# Altium PCB PCB1.PcbDoc (part 1 of 2)
Units mm, origin at the board's own origin, x right, y up, seen from the top; angles counter-clockwise.
Board outline 100.7 x 52.2 mm, 2 copper layers (Top Layer, Bottom Layer); 142 components, 119 nets, 501 pads, 92 vias.
Unrouted connection lines stored in the file: 86.
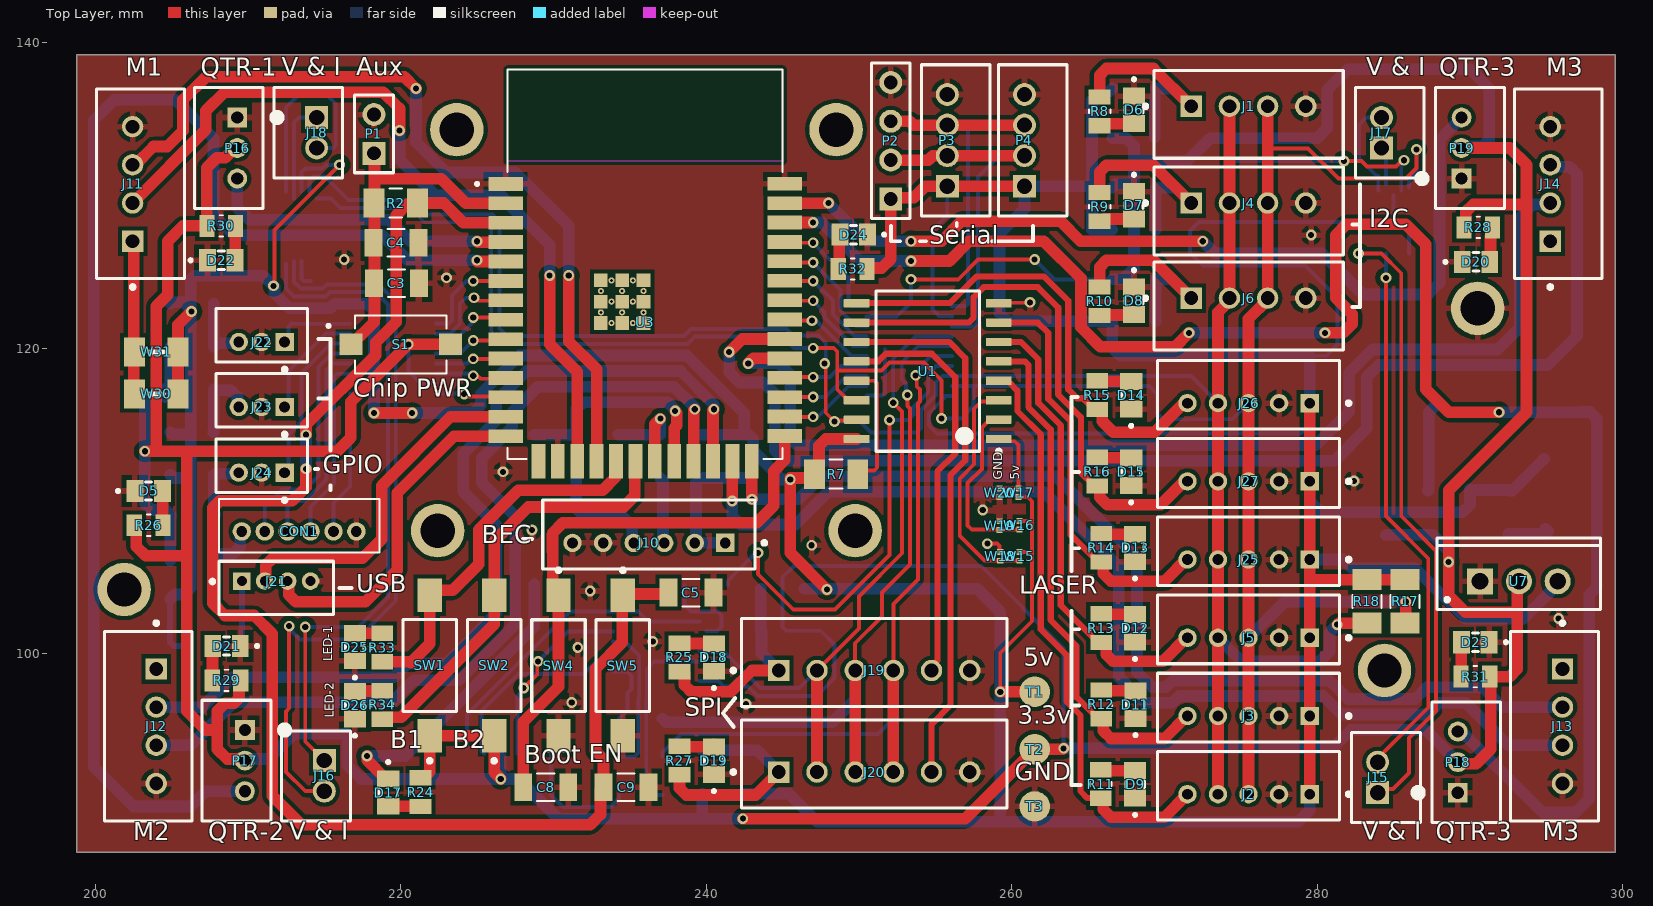
[diagram p0: Top Layer view]
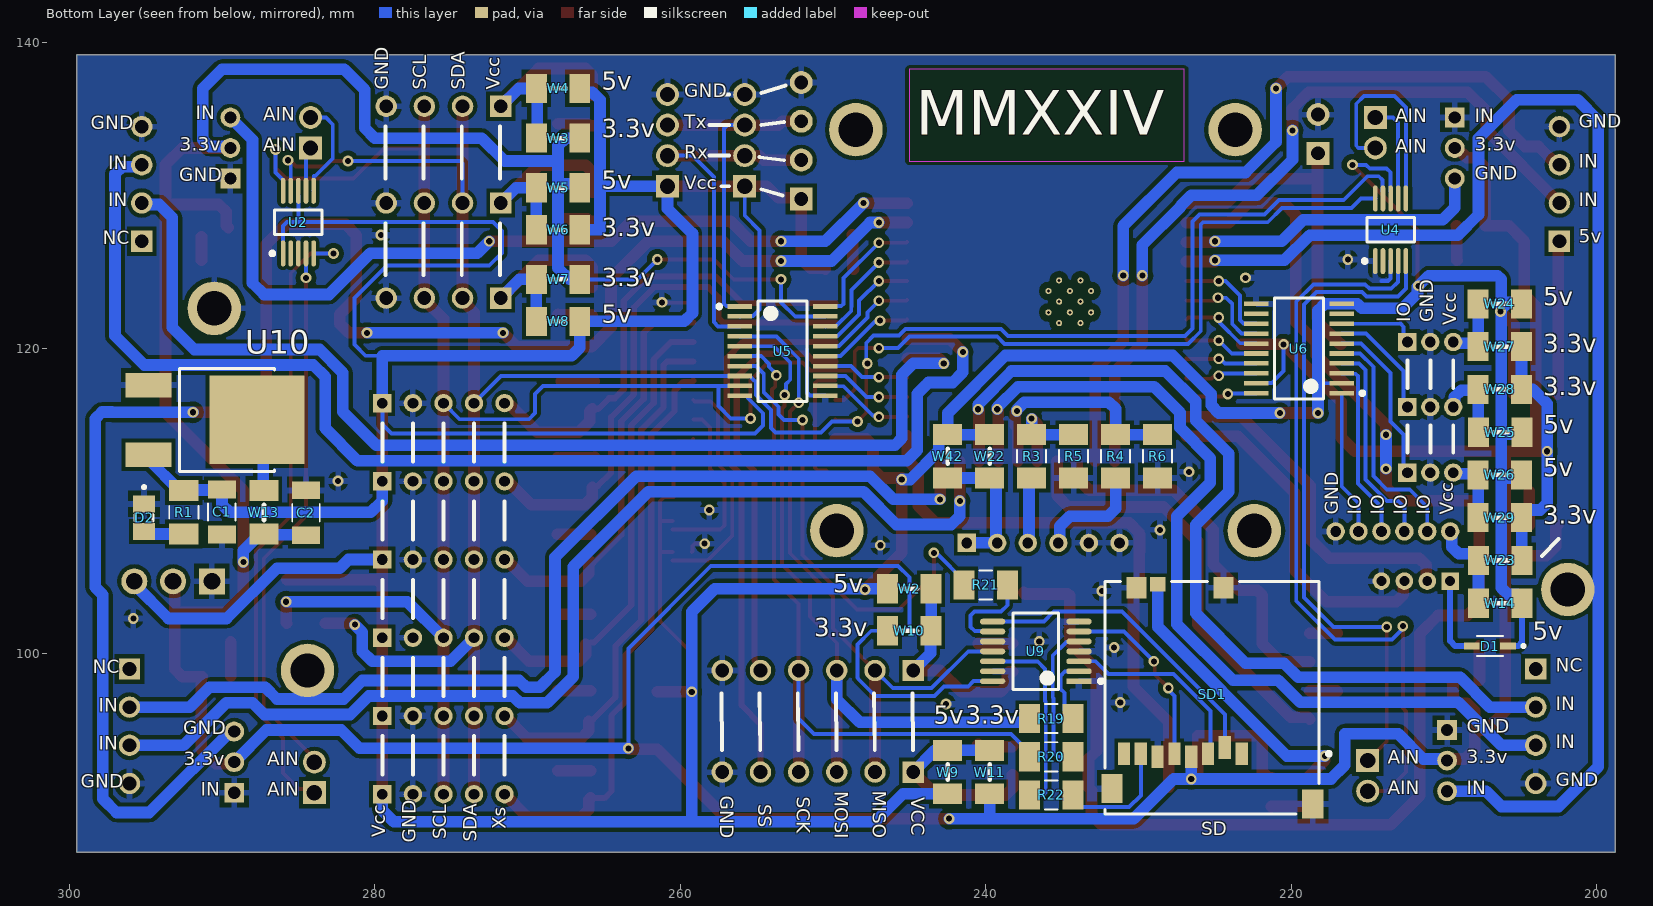
[diagram p1: Bottom Layer view, seen from below]
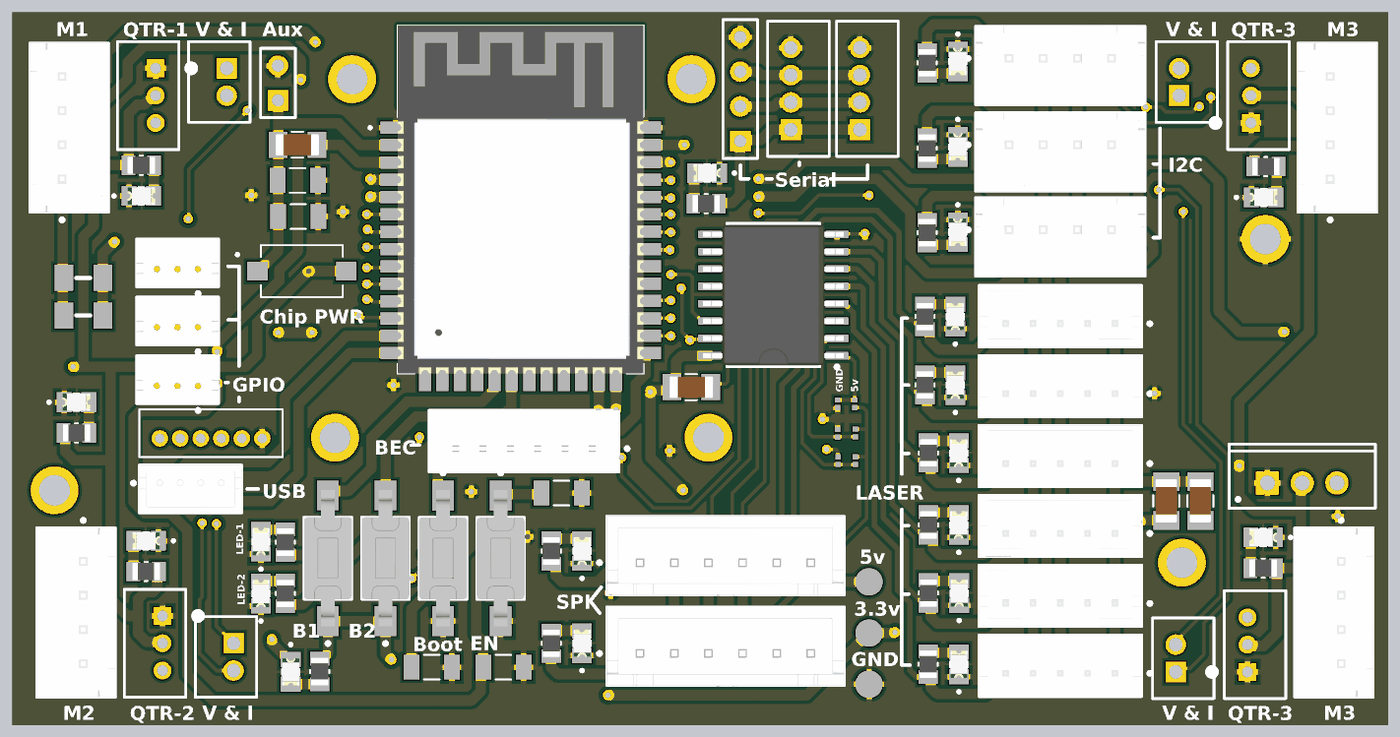
[diagram p3: 3D render of the assembled board from above, using the file's embedded part models]

## Layer stack, top to bottom
Top Solder: solder mask 0.0102, Solder Resist, Dk 3.5
Top Layer: signal copper 0.0356
Dielectric 1: dielectric 0.32, FR-4, Dk 4.8
Bottom Layer: signal copper 0.0356
Bottom Solder: solder mask 0.0102, Solder Resist, Dk 3.5

## Board outline
198.8,87 198.8,139.2 299.5,139.2 299.5,87

## Design rules (kind name [scope] priority, off if disabled: settings)
Clearance [All] p1: gap=0.254 ignorepadtopadclearanceinfootprint=TRUE except(0.127: Arc-SMDPad Track-SMDPad SMDPad-SMDPad; 0.33: Track-THPad; 0.5: Arc-THPad Arc-Hole Track-Hole SMDPad-THPad SMDPad-Hole THPad-THPad THPad-Hole Via-Hole Fill-Hole Poly-Hole Region-Hole Text-Hole)
PolygonConnect [All] p1: connectstyle=Relief reliefconductorwidth=0.4 reliefentries=4 polygonreliefangle="90 Angle" airgapwidth=0.3
RoutingVias [All] p1: holewidth=0.5 width=0.75 viastyle="Through Hole" minholewidth=0.254 minwidth=0.4 maxholewidth=0.711 maxwidth=1.27
SolderMaskExpansion [All] p1: expansion=0.102 istentingtop=FALSE
Width [All] p1: maxlimit=3 minlimit=0.254 preferedwidth=0.762 minimp=50.000000 maximp=50.000000 favimp=50.000000
30 further rules are at their usual default settings.

## Classes and differential pairs
component class "Drivers ESC": J11 J12 J13 J14 W30 W31
component class UART: D24 P2 P3 P4 R32
component class SPI: D17 D18 D19 J19 J20 R19 R20 R21 R22 R24 R25 R27 SD1 U9 W2 W9 W10 W11
component class QTR: D20 D21 D22 D23 P16 P17 P18 P19 R28 R29 R30 R31
component class I2C: D6 D7 D8 D9 D11 D12 D13 D14 D15 J1 J2 J3 J4 J5 J6 J25 J26 J27 R8 R9 R10 R11 R12 R13 R14 R15 R16 W3 W4 W5 W6 W7 W8
component class Hoja_principal_Sumo_2024: C1 C2 C3 C4 C5 C8 C9 CON1 D1 D2 D5 D25 D26 J10 J15 J16 J17 J18 J21 J22 J23 J24 P1 R1 R2 R3 R4 R5 R6 R7 R17 R18 R26 R33 R34 S1 SW1 SW2 SW4 SW5 T1 T2 T3 U1 U2 U3 U4 U5 U6 U7 U10 W13 W14 W15 W16 W17 W18 W19 W20 W22 W23 W24 W25 W26 W27 W28 W29 W42

## Components (designator, comment, footprint, x,y, rotation, side; value= is the part's Value field where it differs from the comment)
C1 "1206ZC226KAT2A" Cap 290,109.275 r90 bottom
C2 "1206ZC226KAT2A" Cap 284.5,109.225 r270 bottom
C3 "1206ZC226KAT2A" Cap 219.725,124.25 r180 top
C4 "1206ZC226KAT2A" Cap 219.691,126.895 r180 top
C5 "C1206C104F5JAC7800" Cap 239,104 r0 top
C8 "C1206C104F5JAC7800" Cap 229.5,91.25 r180 top
C9 "C1206C104F5JAC7800" Cap 234.75,91.25 r180 top
CON1 "B6B-ZR" B6B-ZR 218.6,106.7 r180 top
D1 "BAT760-7" SOD 207,100.5 r0 bottom
D2 "597-3305-607F" "0805 LED" 295.1,108.9 r270 bottom
D5 "597-3305-607F" "0805 LED" 203.5,110.65 r0 top
D6 "597-3305-607F" "0805 LED" 268,135.6 r270 top
D7 "597-3305-607F" "0805 LED" 268,129.35 r270 top
D8 "597-3305-607F" "0805 LED" 268,123.1 r270 top
D9 "597-3305-607F" "0805 LED" 268.075,91.45 r90 top
D11 "597-3305-607F" "0805 LED" 268.1,96.665 r90 top
D12 "597-3305-607F" "0805 LED" 268.069,101.655 r90 top
D13 "597-3305-607F" "0805 LED" 268.069,106.92 r90 top
D14 "597-3305-607F" "0805 LED" 267.819,116.91 r90 top
D15 "597-3305-607F" "0805 LED" 267.819,111.9 r90 top
D17 "597-3305-607F" "0805 LED" 219.183,90.906 r270 top
D18 "597-3305-607F" "0805 LED" 240.5,99.75 r90 top
D19 "597-3305-607F" "0805 LED" 240.5,93 r90 top
D20 "597-3305-607F" "0805 LED" 290.385,125.649 r0 top
D21 "597-3305-607F" "0805 LED" 208.6,100.5 r180 top
D22 "597-3305-607F" "0805 LED" 208.25,125.75 r0 top
D23 "597-3305-607F" "0805 LED" 290.35,100.75 r180 top
D24 "597-3305-607F" "0805 LED" 249.65,127.431 r180 top
D25 "597-3305-607F" "0805 LED" 217,100.435 r90 top
D26 "597-3305-607F" "0805 LED" 217,96.631 r90 top
J1 "B4B-XH-A(LF)(SN)" FP-B4B-XH-A_LF_SN-MFG 275.5,135.304 r180 top
J2 "B5B-PH-K-S(LF)(SN)" FP-B5B-PH-K-S_LF_SN-MFG 275.5,91.35 r180 top
J3 "B5B-PH-K-S(LF)(SN)" FP-B5B-PH-K-S_LF_SN-MFG 275.5,96.47 r180 top
J4 "B4B-XH-A(LF)(SN)" FP-B4B-XH-A_LF_SN-MFG 275.5,128.975 r180 top
J5 "B5B-PH-K-S(LF)(SN)" FP-B5B-PH-K-S_LF_SN-MFG 275.5,101.59 r180 top
J6 "B4B-XH-A(LF)(SN)" FP-B4B-XH-A_LF_SN-MFG 275.5,122.75 r180 top
J10 "B6B-PH-K-K(LF)(SN)" FP-B6B-PH-K-K_LF_SN-MFG 236.25,107.8 r0 top
J11 "B4B-XH-A(LF)(SN)" FP-B4B-XH-A_LF_SN-MFG 202.975,130.75 r270 top
J12 "B4B-XH-A(LF)(SN)" FP-B4B-XH-A_LF_SN-MFG 203.475,95.25 r90 top
J13 "B4B-XH-A(LF)(SN)" FP-B4B-XH-A_LF_SN-MFG 295.525,95.25 r90 top
J14 "B4B-XH-A(LF)(SN)" FP-B4B-XH-A_LF_SN-MFG 295.775,130.75 r270 top
J15 "B2B-PH-K-S(LF)(SN)" JST-B2B-PH-K-S_V 284.5,91.9 r90 top
J16 "B2B-PH-K-S(LF)(SN)" JST-B2B-PH-K-S_V 214.45,92 r270 top
J17 "B2B-PH-K-S(LF)(SN)" JST-B2B-PH-K-S_V 284.75,134.1 r90 top
J18 "B2B-PH-K-S(LF)(SN)" JST-B2B-PH-K-S_V 213.95,134.1 r270 top
J19 "B6B-XH-A(LF)(SN)" FP-B6B-XH-A_LF_SN-MFG 251,99.425 r0 top
J20 "B6B-XH-A(LF)(SN)" FP-B6B-XH-A_LF_SN-MFG 251,92.775 r0 top
J21 "B4B-ZR(LF)(SN)" FP-B4B-ZR_LF_SN-MFG 211.85,104.3 r180 top
J22 "B3B-ZR(LF)(SN)" FP-B3B-ZR_LF_SN-MFG 210.9,120.85 r0 top
J23 "B3B-ZR(LF)(SN)" FP-B3B-ZR_LF_SN-MFG 210.9,116.6 r0 top
J24 "B3B-ZR(LF)(SN)" FP-B3B-ZR_LF_SN-MFG 210.9,112.3 r0 top
J25 "B5B-PH-K-S(LF)(SN)" FP-B5B-PH-K-S_LF_SN-MFG 275.5,106.71 r180 top
J26 "B5B-PH-K-S(LF)(SN)" FP-B5B-PH-K-S_LF_SN-MFG 275.5,116.95 r180 top
J27 "B5B-PH-K-S(LF)(SN)" FP-B5B-PH-K-S_LF_SN-MFG 275.5,111.83 r180 top
P1 "Header 2" HDR1X2 218.25,132.75 r90 top
P2 "Header 4" HDR1X4 252.081,129.77 r90 top
P3 "B4B-PH-K-S(LF)(SN)" JST-B4B-PH-K-S_V 256.331,133.6 r90 top
P4 "B4B-PH-K-S(LF)(SN)" JST-B4B-PH-K-S_V 261.381,133.6 r90 top
P16 "B3B-PH-K-S(LF)(SN)" JST-B3B-PH-K-S-3_V 208.75,133.1 r270 top
P17 "B3B-PH-K-S(LF)(SN)" JST-B3B-PH-K-S-3_V 209.25,93 r270 top
P18 "B3B-PH-K-S(LF)(SN)" JST-B3B-PH-K-S-3_V 289.75,92.9 r90 top
P19 "B3B-PH-K-S(LF)(SN)" JST-B3B-PH-K-S-3_V 290,133.1 r90 top
R1 "10K" 1206 292.5,109.25 r90 bottom
R2 "10K" 1206 219.671,129.5 r180 top
R3 "50k" 1206 237,112.921 r270 bottom
R4 "50k" 1206 231.5,112.921 r270 bottom
R5 "100k" 1206 234.25,112.921 r90 bottom
R6 "100k" 1206 228.75,112.921 r90 bottom
R7 "10K" 1206 248.5,111.75 r180 top
R8 "CR0805-JW-221ELF" "0805 res" 265.75,135.5 r270 top
R9 "CR0805-JW-221ELF" "0805 res" 265.75,129.25 r270 top
R10 "CR0805-JW-221ELF" "0805 res" 265.75,123.065 r270 top
R11 "CR0805-JW-221ELF" "0805 res" 265.825,91.465 r90 top
R12 "CR0805-JW-221ELF" "0805 res" 265.85,96.68 r90 top
R13 "CR0805-JW-221ELF" "0805 res" 265.85,101.67 r90 top
R14 "CR0805-JW-221ELF" "0805 res" 265.85,106.935 r90 top
R15 "CR0805-JW-221ELF" "0805 res" 265.6,116.925 r90 top
R16 "CR0805-JW-221ELF" "0805 res" 265.6,111.915 r90 top
R17 "10K" 1206 285.75,103.421 r90 top
R18 "10k" 1206 283.25,103.421 r90 top
R19 "3k3" 1206 235.721,95.75 r0 bottom
R20 "3k3" 1206 235.721,93.25 r0 bottom
R21 "3k3" 1206 240,104.5 r0 bottom
R22 "3k3" 1206 235.721,90.75 r180 bottom
R24 "CR0805-JW-221ELF" "0805 res" 221.3,90.935 r270 top
R25 "CR0805-JW-221ELF" "0805 res" 238.25,99.75 r90 top
R26 "CR0805-JW-221ELF" "0805 res" 203.501,108.4 r0 top
R27 "CR0805-JW-221ELF" "0805 res" 238.25,93 r90 top
R28 "CR0805-JW-221ELF" "0805 res" 290.535,127.9 r0 top
R29 "CR0805-JW-221ELF" "0805 res" 208.6,98.249 r180 top
R30 "CR0805-JW-221ELF" "0805 res" 208.25,128.001 r0 top
R31 "CR0805-JW-221ELF" "0805 res" 290.35,98.5 r180 top
R32 "CR0805-JW-221ELF" "0805 res" 249.585,125.181 r180 top
R33 "CR0805-JW-221ELF" "0805 res" 218.79,100.4 r90 top
R34 "CR0805-JW-221ELF" "0805 res" 218.79,96.646 r90 top
S1 "TS10-63-26-BE-250-SMT-TR" SW_TS10-63-26-BE-250-SMT-TR 220,120.25 r0 top
SD1 "473521001" MOLX-473521001_V 225.19,97.11 r180 bottom
SW1 "FSMSMTR" TECO-FSMSMTR_V 221.904,99.229 r90 top
SW2 "FSMSMTR" TECO-FSMSMTR_V 226.117,99.229 r90 top
SW4 "FSMSMTR" TECO-FSMSMTR_V 230.331,99.219 r270 top
SW5 "FSMSMTR" TECO-FSMSMTR_V 234.544,99.219 r270 top
T1 "Test point" Testpoint 261.5,97.499 r90 top
T2 "Test point" Testpoint 261.5,93.75 r90 top
T3 "Test point" Testpoint 261.5,90 r90 top
U1 "PCF8574DWR" DW0016A_L 254.5,118.5 r180 top
U2 "ADS1115IDGST" TI-DGS10_N 285,128.25 r90 bottom
U3 "ESP32-S3-WROOM-1" PCBComponent_1 236,125.5 r0 top
U4 "ADS1115IDGST" TI-DGS10_N 213.5,127.75 r90 bottom
U5 "TXS0108EQPWRQ1" FP-PW0020A-MFG 253.3,119.8 r180 bottom
U6 "TXS0108EQPWRQ1" FP-PW0020A-MFG 219.5,119.975 r0 bottom
U7 "AMS1117" TO-220-AB3 293.2,104.735 r0 top
U9 "SN74LVC125APWR" FP-PW0014A-IPC_B 236.725,100.15 r0 bottom
U10 "NCP1117DT33T5G" FP-369C-MFG 290.5,115.3 r270 bottom
W2 "Jumper" "Jumper Mid" 245,104.25 r0 bottom
W3 "Jumper" "Jumper Mid" 268,133.75 r180 bottom
W4 "Jumper" "Jumper Mid" 268,137 r180 bottom
W5 "Jumper" "Jumper Mid" 268,130.5 r180 bottom
W6 "Jumper" "Jumper Mid" 268,127.75 r180 bottom
W7 "Jumper" "Jumper Mid" 268,124.5 r180 bottom
W8 "Jumper" "Jumper Mid" 268,121.75 r180 bottom
W9 "Jumper" "Jumper Mid" 242.5,92.249 r270 bottom
W10 "Jumper" "Jumper Mid" 245,101.5 r0 bottom
W11 "Jumper" "Jumper Mid" 239.75,92.249 r270 bottom
W13 "Jumper" "Jumper Mid" 287.25,109.25 r270 bottom
W14 "Jumper" "Jumper Mid" 206.329,103.3 r180 bottom
W15 "Jumper" "Jumper Mini" 260.5,106.369 r90 top
W16 "Jumper" "Jumper Mini" 260.5,108.4 r90 top
W17 "Jumper" "Jumper Mini" 260.45,110.531 r270 top
W18 "Jumper" "Jumper Mini" 259.25,106.369 r270 top
W19 "Jumper" "Jumper Mini" 259.2,108.381 r270 top
W20 "Jumper" "Jumper Mini" 259.2,110.531 r90 top
W22 "Jumper" "Jumper Mid" 239.75,112.921 r90 bottom
W23 "Jumper" "Jumper Mid" 206.329,106.1 r180 bottom
W24 "Jumper" "Jumper Mid" 206.35,122.9 r180 bottom
W25 "Jumper" "Jumper Mid" 206.329,114.5 r180 bottom
W26 "Jumper" "Jumper Mid" 206.35,111.7 r180 bottom
W27 "Jumper" "Jumper Mid" 206.35,120.1 r180 bottom
W28 "Jumper" "Jumper Mid" 206.35,117.3 r180 bottom
W29 "Jumper" "Jumper Mid" 206.35,108.905 r180 bottom
W30 "Jumper" "Jumper Mid" 204,117 r0 top
W31 "Jumper" "Jumper Mid" 204,119.75 r0 top
W42 "Jumper" "Jumper Mid" 242.5,112.921 r90 bottom

## Footprints (in the part's own frame and the unit in brackets; to place one, negate y for a bottom-side part, rotate by r counter-clockwise, add the part's x,y. Pads: shape width x height; smd on the part's side, far side on the other; paste and mask are expansions set on the pad)
"0805 LED" [mm]
  rect 1.1x1.45 smd: A(0.9,0) C(-0.9,0)
  silkscreen extent -2.1,-0.6 0.2,0.6, body extent -1,-0.63 1,0.62, height 0.7
"0805 res" [mm]
  rect 1x1.42 smd: 1(-0.935,0) 2(0.935,0)
  silkscreen extent -0.12,-0.7 0.12,0.7, body extent -1,-0.63 1,0.63, height 0.6
1206 [mm]
  rect 1.37x1.91 smd: 1(-1.421,0) 2(1.421,0)
  silkscreen extent -0.42,-0.95 0.42,0.95, body extent -1.6,-0.8 1.6,0.8, height 1.9
B6B-ZR [mm]
  round 1.208 hole 0.7: 1(9,-1.3) 2(7.5,-1.3) 3(6,-1.3) 4(4.5,-1.3) 5(3,-1.3) 6(1.5,-1.3)
  silkscreen extent 0,-3.43 10.5,0.07
Cap [mm]
  rect 1.16x1.82 smd: 1(-1.475,0) 2(1.475,0)
  silkscreen extent -0.57,-0.9 0.57,0.9
DW0016A_L [mm] "SOIC, 16-Leads, Body 10.5x7.6mm, Pitch 1.27mm, IPC High Density"
  rrect18% 1.7x0.55 smd: 1(-4.65,4.445) 2(-4.65,3.175) 3(-4.65,1.905) 4(-4.65,0.635) 5(-4.65,-0.635) 6(-4.65,-1.905) 7(-4.65,-3.175) 8(-4.65,-4.445) 9(4.65,-4.445) 10(4.65,-3.175) 11(4.65,-1.905) 12(4.65,-0.635) 13(4.65,0.635) 14(4.65,1.905) 15(4.65,3.175) 16(4.65,4.445)
  silkscreen extent -4.78,-5.25 3.4,5.39, body extent -5.14,-5.13 5.14,5.13, height 2.5
FP-369C-MFG [mm]
  rect 1.6x3 smd paste+0 mask+0: 1(-2.285,-4.3) 3(2.285,-4.3)
  rect 5.8x6.2 smd paste+0 mask+0: 4(0,2.79)
  silkscreen extent -3.36,-2.28 3.36,3.94, body extent -3.27,-4.95 3.27,4.95, height 2.51
FP-B3B-ZR_LF_SN-MFG [mm]
  rect 1.2x1.2 hole 0.7 paste-1000 mask+0: 1(1.5,-0.45)
  round 1.2 hole 0.7 paste-1000 mask+0: 2(0,-0.45) 3(-1.5,-0.45)
  silkscreen extent -3,-2.37 3,1.75, body extent -3.1,-1.85 3.1,1.85, height 0.25
FP-B4B-XH-A_LF_SN-MFG [mm]
  rect 1.4x1.4 hole 0.9 paste-1000 mask+0: 1(3.75,-0.525)
  round 1.4 hole 0.9 paste-1000 mask+0: 2(1.25,-0.525) 3(-1.25,-0.525) 4(-3.75,-0.525)
  silkscreen extent -6.2,-2.88 6.87,2.88, body extent -6.3,-2.98 6.3,2.98, height 0.25
FP-B4B-ZR_LF_SN-MFG [mm]
  rect 1.15x1.15 hole 0.65 paste-1000 mask+0: 1(2.25,-0.45)
  round 1.15 hole 0.65 paste-1000 mask+0: 2(0.75,-0.45) 3(-0.75,-0.45) 4(-2.25,-0.45)
  silkscreen extent -3.75,-1.75 4.3,1.75, body extent -3.85,-1.85 3.85,1.85, height 0.25
FP-B5B-PH-K-S_LF_SN-MFG [mm]
  rect 1.2x1.2 hole 0.7 paste-1000 mask+0: 1(-4,0.55)
  round 1.2 hole 0.7 paste-1000 mask+0: 2(-2,0.55) 3(0,0.55) 4(2,0.55) 5(4,0.55)
  silkscreen extent -6.68,-2.25 5.95,2.25, body extent -6.05,-2.35 6.05,2.35, height 0.25
FP-B6B-PH-K-K_LF_SN-MFG [mm]
  rect 1.2x1.2 hole 0.7 paste-1000 mask+0: 1(5,-0.55)
  round 1.2 hole 0.7 paste-1000 mask+0: 2(3,-0.55) 3(1,-0.55) 4(-1,-0.55) 5(-3,-0.55) 6(-5,-0.55)
  silkscreen extent -6.95,-2.25 7.68,2.25, body extent -7.05,-2.35 7.05,2.35, height 0.25
FP-B6B-XH-A_LF_SN-MFG [mm]
  rect 1.4x1.4 hole 0.9 paste-1000 mask+0: 1(-6.25,-0.525)
  round 1.4 hole 0.9 paste-1000 mask+0: 2(-3.75,-0.525) 3(-1.25,-0.525) 4(1.25,-0.525) 5(3.75,-0.525) 6(6.25,-0.525)
  silkscreen extent -9.35,-2.88 8.7,2.88, body extent -8.8,-2.98 8.8,2.98, height 0.25
FP-PW0014A-IPC_B [mm]
  rect 1.655x0.381 smd paste+0 mask+0: 1(-2.825,1.95)
  rrect100% 1.655x0.381 smd paste+0 mask+0: 2(-2.825,1.3) 3(-2.825,0.65) 4(-2.825,0) 5(-2.825,-0.65) 6(-2.825,-1.3) 7(-2.825,-1.95) 8(2.825,-1.95) 9(2.825,-1.3) 10(2.825,-0.65) 11(2.825,0) 12(2.825,0.65) 13(2.825,1.3) 14(2.825,1.95)
  silkscreen extent -4.37,-2.5 1.5,2.5, body extent -3.17,-2.5 3.23,2.5, height 1.2
FP-PW0020A-MFG [mm]
  rect 1.6x0.3 smd paste-1000 mask+0: 1(-2.8,2.925) 2(-2.8,2.275) 3(-2.8,1.625) 4(-2.8,0.975) 5(-2.8,0.325) 6(-2.8,-0.325) 7(-2.8,-0.975) 8(-2.8,-1.625) 9(-2.8,-2.275) 10(-2.8,-2.925) 11(2.8,-2.925) 12(2.8,-2.275) 13(2.8,-1.625) 14(2.8,-0.975) 15(2.8,-0.325) 16(2.8,0.325) 17(2.8,0.975) 18(2.8,1.625) 19(2.8,2.275) 20(2.8,2.925)
  silkscreen extent -4.28,-3.3 1.6,3.3, body extent -3.22,-3.25 3.18,3.25, height 1.2
HDR1X2 [mm] "Connector; Header; 2 Position"
  rect 1.5x1.5 hole 0.9: 1(0,0)
  round 1.5 hole 0.9: 2(2.54,0)
  silkscreen extent -1.27,-1.27 3.81,1.27
HDR1X4 [mm] "Connector; Header; 4 Position"
  rect 1.5x1.5 hole 0.9: 1(0,0)
  round 1.5 hole 0.9: 2(2.54,0) 3(5.08,0) 4(7.62,0)
  silkscreen extent -1.27,-1.27 8.89,1.27
JST-B2B-PH-K-S_V [mm] "Connector, 2-Leads, Body 5.9x4.5mm, Pitch 2mm"
  rect 1.5x1.5 hole 1: 1(-1,0.55)
  round 1.5 hole 1: 2(1,0.55)
  silkscreen extent -2.95,-2.25 2.95,2.25, body extent -2.95,-2.25 2.95,2.25, height 6
JST-B3B-PH-K-S-3_V [mm] "Connector, 3-Leads, Body 7.9x4.5mm, Pitch 2mm"
  rect 1.3x1.3 hole 0.8: 1(-2,0.55)
  round 1.3 hole 0.8: 2(0,0.55) 3(2,0.55)
  silkscreen extent -3.95,-2.25 3.95,3.4, body extent -3.95,-2.25 3.95,2.25, height 6
JST-B4B-PH-K-S_V [mm] "Connector, 4-Leads, Body 9.9x4.5mm, Pitch 2mm"
  rect 1.5x1.5 hole 1: 1(-3,0.55)
  round 1.5 hole 1: 2(-1,0.55) 3(1,0.55) 4(3,0.55)
  silkscreen extent -4.95,-2.25 4.95,2.25, body extent -4.95,-2.25 4.95,2.25, height 6
"Jumper Mid" [mm]
  rect 1.37x1.91 smd: 1(-1.421,0) 2(1.421,0)
  silkscreen extent -0.5,0 0.5,0
"Jumper Mini" [mm]
  rect 0.38x0.4 smd: 1(-0.281,0) 2(0.281,0)
MOLX-473521001_V [mm] "SMD, 8-Leads, Body 15.2x14mm, Pitch 1.1mm"
  rect 0.8x1.5 smd: 1(1.94,-3.66) 2(0.84,-3.26) 3(-0.26,-3.66) 4(-1.36,-3.86) 5(-2.46,-3.66) 6(-3.56,-3.86) 7(-4.66,-3.66) 8(-5.76,-3.66)
  rect 1x0.95 smd: 9(-3.56,7.425)
  rect 1.3x1.4 smd: 10(-4.95,7.2) 11(0.75,7.2)
  rect 1.4x1.9 smd: 12(6.6,-6.95) 13(-6.55,-5.95)
  silkscreen extent -7,-7.6 7.77,7.6, body extent -7.05,-7.6 7.05,7.6, height 1.85
PCBComponent_1 [mm]
  rect 2.25x0.9 smd: 1(-9.125,5.25) 2(-9.125,3.98) 3(-9.125,2.71) 4(-9.125,1.44) 5(-9.125,0.17) 6(-9.125,-1.1) 7(-9.125,-2.37) 8(-9.125,-3.64) 9(-9.125,-4.91) 10(-9.125,-6.18) 11(-9.125,-7.45) 12(-9.125,-8.72) 13(-9.125,-9.99) 14(-9.125,-11.26) 27(9.15,-11.25) 28(9.15,-9.98) 29(9.15,-8.71) 30(9.15,-7.44) 31(9.15,-6.17) 32(9.15,-4.9) 33(9.15,-3.63) 34(9.15,-2.36) 35(9.15,-1.09) 36(9.15,0.18) 37(9.15,1.45) 38(9.15,2.72) 39(9.15,3.99) 40(9.15,5.26)
  rect 0.9x2.25 smd: 15(-6.985,-12.9) 16(-5.715,-12.9) 17(-4.445,-12.9) 18(-3.175,-12.9) 19(-1.905,-12.9) 20(-0.635,-12.9) 21(0.635,-12.9) 22(1.905,-12.9) 23(3.175,-12.9) 24(4.445,-12.9) 25(5.715,-12.9) 26(6.985,-12.9)
  rect 0.9x0.9 smd: 41(-2.9,-3.86) 41(-2.9,-2.46) 41(-2.9,-1.06) 41(-1.5,-3.86) 41(-1.5,-2.46) 41(-1.5,-1.06) 41(-0.1,-3.86) 41(-0.1,-2.46) 41(-0.1,-1.06)
  round 0.4 hole 0.2 mask+0: 41_10(-1.5,-1.76) 41_11(-2.9,-1.76) 41_12(-0.1,-1.76) 41_13(-2.9,-3.16) 41_14(-1.5,-3.16) 41_15(-0.1,-3.16) 41_16(-2.2,-1.06) 41_17(-0.8,-1.06) 41_18(-2.2,-2.46) 41_19(-0.8,-2.46) 41_20(-2.2,-3.86) 41_21(-0.8,-3.86)
  Keep-Out Layer region: 9,6.75 -9,6.75 -9,12.75 9,12.75
  Keep-Out Layer region: 9,6.75 -9,6.75 -9,12.75 9,12.75
  silkscreen extent -11.1,-12.75 9,12.75, body extent -9,-12.75 9,12.75, height 3.25